# KiCad board JBX16SMD.kicad_pcb (continued)
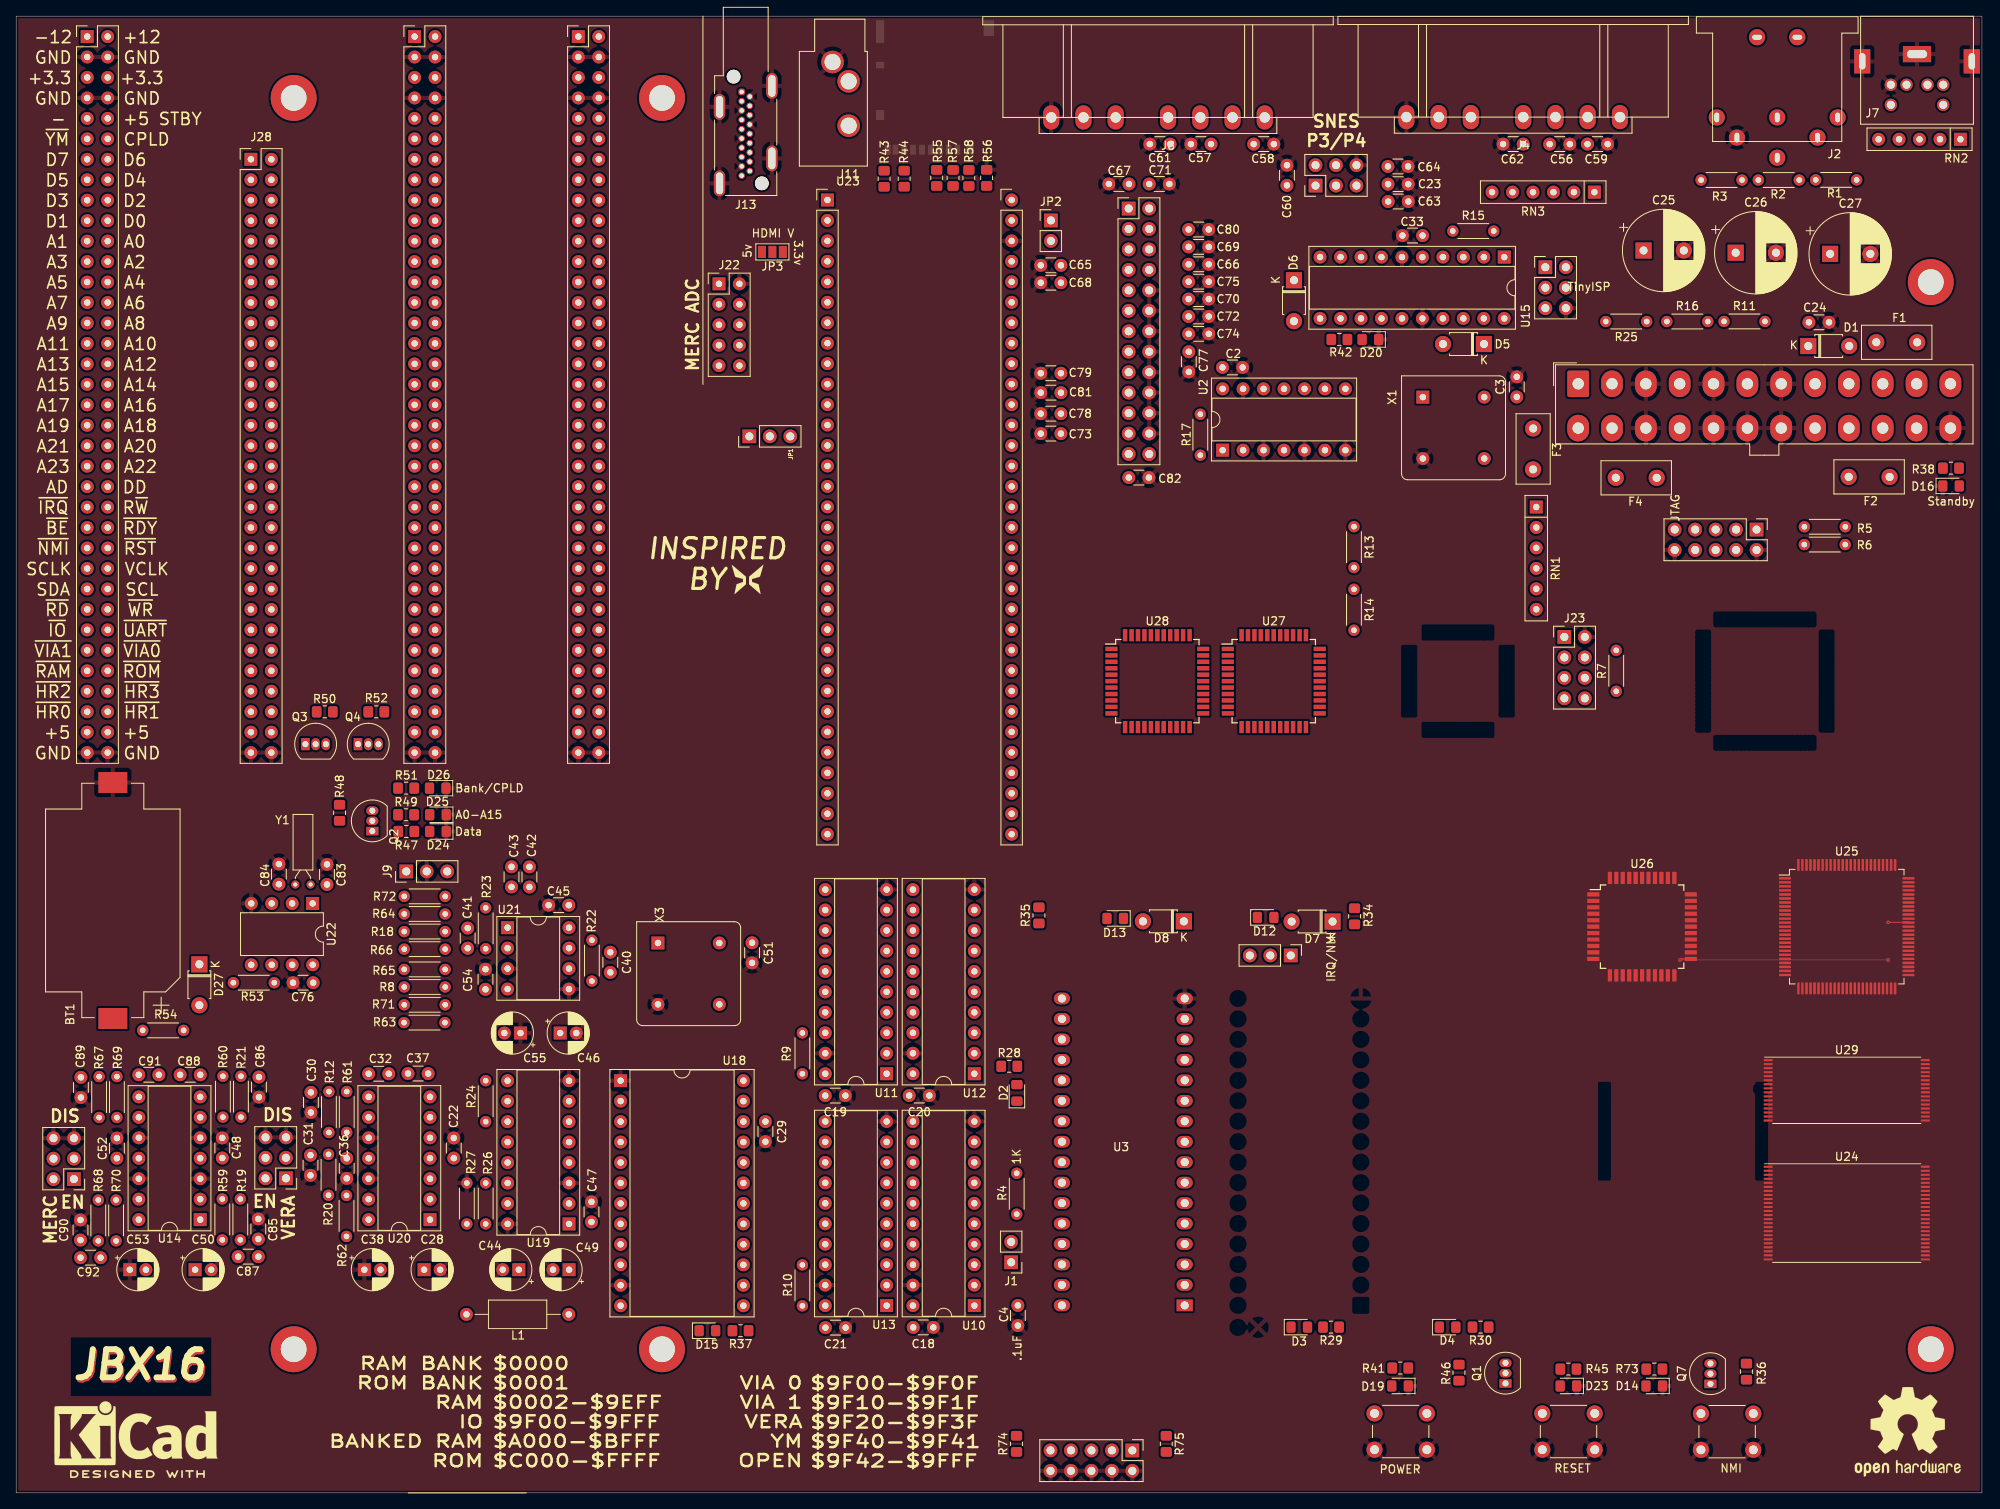
[diagram p0: board, top side]
## Footprints (pads in the part's own frame, mm; a bottom-side part is the same pattern mirrored in y, then rotated)
BatteryHolder_Keystone_1060_1x2032
  rect 2.6x3.6 smd: 1(-14.65,0) 2(14.65,0)
C_Disc_D3.0mm_W1.6mm_P2.50mm
  round 1.6 hole 0.8: 1(0,0) 2(2.5,0)
CP_Radial_D5.0mm_P2.00mm
  rect 1.6x1.6 hole 0.8: 1(0,0)
  round 1.6 hole 0.8: 2(2,0)
CP_Radial_D10.0mm_P5.00mm
  rect 2x2 hole 1: 1(0,0)
  round 2 hole 1: 2(5,0)
Crystal_C26-LF_D2.1mm_L6.5mm_Horizontal
  round 1 hole 0.5: 1(0,0) 2(1.9,0)
D_T-1_P5.08mm_Horizontal
  rect 2x2 hole 1: 1(0,0)
  oval 2x2 hole 1: 2(5.08,0)
DIN-6-IEC
  round 2 hole 1.2x0.6: 0(-2.5,2.54) 0(2.5,2.54)
  round 2 hole 0.6x1.2: 1(7.5,12.5) 2(5,15) 3(0,12.5) 4(-5,15) 5(-7.5,12.5) 6(0,17.5)
DIP-8_W7.62mm
  rect 1.6x1.6 hole 0.8: 1(0,0)
  oval 1.6x1.6 hole 0.8: 2(0,-2.54) 3(0,-5.08) 4(0,-7.62) 5(7.62,-7.62) 6(7.62,-5.08) 7(7.62,-2.54) 8(7.62,0)
DIP-8_W7.62mm_Socket
  rect 1.6x1.6 hole 0.8: 1(0,0)
  oval 1.6x1.6 hole 0.8: 2(0,-2.54) 3(0,-5.08) 4(0,-7.62) 5(7.62,-7.62) 6(7.62,-5.08) 7(7.62,-2.54) 8(7.62,0)
DIP-14_W7.62mm_Socket
  rect 1.6x1.6 hole 0.8: 1(0,0)
  oval 1.6x1.6 hole 0.8: 2(0,-2.54) 3(0,-5.08) 4(0,-7.62) 5(0,-10.16) 6(0,-12.7) 7(0,-15.24) 8(7.62,-15.24) 9(7.62,-12.7) 10(7.62,-10.16) 11(7.62,-7.62) 12(7.62,-5.08) 13(7.62,-2.54) 14(7.62,0)
DIP-16_W7.62mm_Socket
  rect 1.6x1.6 hole 0.8: 1(0,0)
  oval 1.6x1.6 hole 0.8: 2(0,-2.54) 3(0,-5.08) 4(0,-7.62) 5(0,-10.16) 6(0,-12.7) 7(0,-15.24) 8(0,-17.78) 9(7.62,-17.78) 10(7.62,-15.24) 11(7.62,-12.7) 12(7.62,-10.16) 13(7.62,-7.62) 14(7.62,-5.08) 15(7.62,-2.54) 16(7.62,0)
DIP-20_W7.62mm_Socket
  rect 1.6x1.6 hole 0.8: 1(0,0)
  oval 1.6x1.6 hole 0.8: 2(0,-2.54) 3(0,-5.08) 4(0,-7.62) 5(0,-10.16) 6(0,-12.7) 7(0,-15.24) 8(0,-17.78) 9(0,-20.32) 10(0,-22.86) 11(7.62,-22.86) 12(7.62,-20.32) 13(7.62,-17.78) 14(7.62,-15.24) 15(7.62,-12.7) 16(7.62,-10.16) 17(7.62,-7.62) 18(7.62,-5.08) 19(7.62,-2.54) 20(7.62,0)
DIP-24_W15.24mm_Socket
  rect 1.6x1.6 hole 0.8: 1(0,0)
  oval 1.6x1.6 hole 0.8: 2(0,-2.54) 3(0,-5.08) 4(0,-7.62) 5(0,-10.16) 6(0,-12.7) 7(0,-15.24) 8(0,-17.78) 9(0,-20.32) 10(0,-22.86) 11(0,-25.4) 12(0,-27.94) 13(15.24,-27.94) 14(15.24,-25.4) 15(15.24,-22.86) 16(15.24,-20.32) 17(15.24,-17.78) 18(15.24,-15.24) 19(15.24,-12.7) 20(15.24,-10.16) 21(15.24,-7.62) 22(15.24,-5.08) 23(15.24,-2.54) 24(15.24,0)
DIP_Socket-32_W11.9_W12.7_W15.24_W17.78_W18.5_3M_232-1285-00-0602J
  rect 2x1.44 hole 1: 1(0,0)
  oval 2x1.44 hole 1: 2(0,-2.54) 3(0,-5.08) 4(0,-7.62) 5(0,-10.16) 6(0,-12.7) 7(0,-15.24) 8(0,-17.78) 9(0,-20.32) 10(0,-22.86) 11(0,-25.4) 12(0,-27.94) 13(0,-30.48) 14(0,-33.02) 15(0,-35.56) 16(0,-38.1) 17(15.24,-38.1) 18(15.24,-35.56) 19(15.24,-33.02) 20(15.24,-30.48) 21(15.24,-27.94) 22(15.24,-25.4) 23(15.24,-22.86) 24(15.24,-20.32) 25(15.24,-17.78) 26(15.24,-15.24) 27(15.24,-12.7) 28(15.24,-10.16) 29(15.24,-7.62) 30(15.24,-5.08) 31(15.24,-2.54) 32(15.24,0)
Fuse_Littelfuse_395Series
  round 2 hole 1: 1(0,0) 2(5.08,-0.01)
HDMI_A_Kycon_KDMIX-SL1-NS-WS-B15_VerticalRightAngle
  round 1.7 hole 1.7 unplated: (-2.5,11.35) (1,-1.9)
  rrect 0.8x0.8 hole 0.55: 1(0,0)
  round 0.8 hole 0.55: 2(-1,0.578) 3(0,1.155) 4(-1,1.732) 5(0,2.31) 6(-1,2.888) 7(0,3.465) 8(-1,4.043) 9(0,4.62) 10(-1,5.197) 11(0,5.775) 12(-1,6.353) 13(0,6.93) 14(-1,7.508) 15(0,8.085) 16(-1,8.662) 17(0,9.24) 18(-1,9.818) 19(0,10.395)
  oval 1.4x3.2 hole 0.9x2.7: SH(-3.75,8.25) SH(-3.75,-0.75) SH(2.75,11.35) SH(2.75,1.85)
Jack_3.5mm_CUI_SJ1-3533NG_Horizontal_CircularHoles
  round 2.8 hole 2: R(2,-7.9) S(0,0) T(2,-2.4)
L_Axial_L7.0mm_D3.3mm_P12.70mm_Horizontal_Fastron_MICC
  round 1.6 hole 0.8: 1(0,0)
  oval 1.6x1.6 hole 0.8: 2(12.7,0)
LED_0805_2012Metric_Pad1.15x1.40mm_HandSolder
  rrect 1.15x1.4 smd: 1(-1.025,0) 2(1.025,0)
MD-60SM
  rect 2x3 hole 0.8x2: 0(-6.8,-2.9) 0(6.8,-2.9)
  rect 3.5x2 hole 2.5x1: 0(0,-3.8)
  round 1.524 hole 1: 1(1.3,0) 2(-1.3,0) 3(3.25,0) 4(-3.25,0) 5(3.25,2.5) 6(-3.25,2.5)
MercuryII_FPGA
  rect 1.6x1.6 hole 0.8: 1(0,0)
  oval 1.6x1.6 hole 0.8: 2(0,-2.54) 3(0,-5.08) 4(0,-7.62) 5(0,-10.16) 6(0,-12.7) 7(0,-15.24) 8(0,-17.78) 9(0,-20.32) 10(0,-22.86) 11(0,-25.4) 12(0,-27.94) 13(0,-30.48) 14(0,-33.02) 15(0,-35.56) 16(0,-38.1) 17(0,-40.64) 18(0,-43.18) 19(0,-45.72) 20(0,-48.26) 21(0,-50.8) 22(0,-53.34) 23(0,-55.88) 24(0,-58.42) 25(0,-60.96) 26(0,-63.5) 27(0,-66.04) 28(0,-68.58) 29(0,-71.12) 30(0,-73.66) 31(0,-76.2) 32(0,-78.74) 33(22.86,-78.74) 34(22.86,-76.2) 35(22.86,-73.66) 36(22.86,-71.12) 37(22.86,-68.58) 38(22.86,-66.04) 39(22.86,-63.5) 40(22.86,-60.96) 41(22.86,-58.42) 42(22.86,-55.88) 43(22.86,-53.34) 44(22.86,-50.8) 45(22.86,-48.26) 46(22.86,-45.72) 47(22.86,-43.18) 48(22.86,-40.64) 49(22.86,-38.1) 50(22.86,-35.56) 51(22.86,-33.02) 52(22.86,-30.48) 53(22.86,-27.94) 54(22.86,-25.4) 55(22.86,-22.86) 56(22.86,-20.32) 57(22.86,-17.78) 58(22.86,-15.24) 59(22.86,-12.7) 60(22.86,-10.16) 61(22.86,-7.62) 62(22.86,-5.08) 63(22.86,-2.54) 64(22.86,0)
microSD_HC_Hirose_DM3AT-SF-PEJM5
  rect 0.7x1.2 smd: 1(2.775,7.725) 2(1.675,7.725) 3(0.575,7.725) 4(-0.525,7.725) 5(-1.625,7.725) 6(-2.725,7.725) 7(-3.825,7.725) 8(-4.925,7.725) 9(-5.875,7.725)
  rect 1x0.8 smd: 10(-6.825,-2.775)
  rect 1x2.8 smd: 11(-6.825,-6.925)
  rect 1x1.2 smd: 11(-6.825,3.425) 11(4.325,7.725)
  rect 1.3x1.9 smd: 11(6.675,-7.375)
Molex_Mini-Fit_Jr_5566-24A_2x12_P4.20mm_Vertical
  rrect 2.7x3.3 hole 1.4: 1(0,0)
  oval 2.7x3.3 hole 1.4: 2(4.2,0) 3(8.4,0) 4(12.6,0) 5(16.8,0) 6(21,0) 7(25.2,0) 8(29.4,0) 9(33.6,0) 10(37.8,0) 11(42,0) 12(46.2,0) 13(0,-5.5) 14(4.2,-5.5) 15(8.4,-5.5) 16(12.6,-5.5) 17(16.8,-5.5) 18(21,-5.5) 19(25.2,-5.5) 20(29.4,-5.5) 21(33.6,-5.5) 22(37.8,-5.5) 23(42,-5.5) 24(46.2,-5.5)
MountingHole_3.2mm_M3_ISO7380_Pad
  round 5.7 hole 3.2: 1(0,0)
Oscillator_DIP-8
  rect 1.6x1.6 hole 0.8: 1(0,0)
  round 1.6 hole 0.8: 4(7.62,0) 5(7.62,7.62) 8(0,7.62)
PinHeader_1x02_P2.54mm_Vertical
  rect 1.7x1.7 hole 1: 1(0,0)
  oval 1.7x1.7 hole 1: 2(0,-2.54)
PinHeader_1x03_P2.54mm_Vertical
  rect 1.7x1.7 hole 1: 1(0,0)
  oval 1.7x1.7 hole 1: 2(0,-2.54) 3(0,-5.08)
PinHeader_2x03_P2.54mm_Vertical
  rect 1.7x1.7 hole 1: 1(0,0)
  oval 1.7x1.7 hole 1: 2(2.54,0) 3(0,-2.54) 4(2.54,-2.54) 5(0,-5.08) 6(2.54,-5.08)
PinHeader_2x04_P2.54mm_Vertical
  rect 1.7x1.7 hole 1: 1(0,0)
  oval 1.7x1.7 hole 1: 2(2.54,0) 3(0,-2.54) 4(2.54,-2.54) 5(0,-5.08) 6(2.54,-5.08) 7(0,-7.62) 8(2.54,-7.62)
PinHeader_2x05_P2.54mm_Vertical
  rect 1.7x1.7 hole 1: 1(0,0)
  oval 1.7x1.7 hole 1: 2(2.54,0) 3(0,-2.54) 4(2.54,-2.54) 5(0,-5.08) 6(2.54,-5.08) 7(0,-7.62) 8(2.54,-7.62) 9(0,-10.16) 10(2.54,-10.16)
PinHeader_2x05_P2.54mm_Vertical#2
  rect 1.6x1.6 hole 0.8: 1(0,0)
  oval 1.6x1.6 hole 0.8: 2(2.54,0) 3(0,-2.54) 4(2.54,-2.54) 5(0,-5.08) 6(2.54,-5.08) 7(0,-7.62) 8(2.54,-7.62) 9(0,-10.16) 10(2.54,-10.16)
PinHeader_2x13_P2.54mm_Vertical
  rect 1.7x1.7 hole 1: 1(0,0)
  oval 1.7x1.7 hole 1: 2(2.54,0) 3(0,-2.54) 4(2.54,-2.54) 5(0,-5.08) 6(2.54,-5.08) 7(0,-7.62) 8(2.54,-7.62) 9(0,-10.16) 10(2.54,-10.16) 11(0,-12.7) 12(2.54,-12.7) 13(0,-15.24) 14(2.54,-15.24) 15(0,-17.78) 16(2.54,-17.78) 17(0,-20.32) 18(2.54,-20.32) 19(0,-22.86) 20(2.54,-22.86) 21(0,-25.4) 22(2.54,-25.4) 23(0,-27.94) 24(2.54,-27.94) 25(0,-30.48) 26(2.54,-30.48)
PinSocket_2x30_P2.54mm_Vertical
  rect 1.6x1.6 hole 0.8: 1(0,0)
  oval 1.6x1.6 hole 0.8: 2(2.54,0) 3(0,-2.54) 4(2.54,-2.54) 5(0,-5.08) 6(2.54,-5.08) 7(0,-7.62) 8(2.54,-7.62) 9(0,-10.16) 10(2.54,-10.16) 11(0,-12.7) 12(2.54,-12.7) 13(0,-15.24) 14(2.54,-15.24) 15(0,-17.78) 16(2.54,-17.78) 17(0,-20.32) 18(2.54,-20.32) 19(0,-22.86) 20(2.54,-22.86) 21(0,-25.4) 22(2.54,-25.4) 23(0,-27.94) 24(2.54,-27.94) 25(0,-30.48) 26(2.54,-30.48) 27(0,-33.02) 28(2.54,-33.02) 29(0,-35.56) 30(2.54,-35.56) 31(0,-38.1) 32(2.54,-38.1) 33(0,-40.64) 34(2.54,-40.64) 35(0,-43.18) 36(2.54,-43.18) 37(0,-45.72) 38(2.54,-45.72) 39(0,-48.26) 40(2.54,-48.26) 41(0,-50.8) 42(2.54,-50.8) 43(0,-53.34) 44(2.54,-53.34) 45(0,-55.88) 46(2.54,-55.88) 47(0,-58.42) 48(2.54,-58.42) 49(0,-60.96) 50(2.54,-60.96) 51(0,-63.5) 52(2.54,-63.5) 53(0,-66.04) 54(2.54,-66.04) 55(0,-68.58) 56(2.54,-68.58) 57(0,-71.12) 58(2.54,-71.12) 59(0,-73.66) 60(2.54,-73.66)
PinSocket_2x36_P2.54mm_Vertical
  rect 1.6x1.6 hole 0.8: 1(-2.54,0)
  oval 1.6x1.6 hole 0.8: 2(0,0) 3(-2.54,-2.54) 4(0,-2.54) 5(-2.54,-5.08) 6(0,-5.08) 7(-2.54,-7.62) 8(0,-7.62) 9(-2.54,-10.16) 10(0,-10.16) 11(-2.54,-12.7) 12(0,-12.7) 13(-2.54,-15.24) 14(0,-15.24) 15(-2.54,-17.78) 16(0,-17.78) 17(-2.54,-20.32) 18(0,-20.32) 19(-2.54,-22.86) 20(0,-22.86) 21(-2.54,-25.4) 22(0,-25.4) 23(-2.54,-27.94) 24(0,-27.94) 25(-2.54,-30.48) 26(0,-30.48) 27(-2.54,-33.02) 28(0,-33.02) 29(-2.54,-35.56) 30(0,-35.56) 31(-2.54,-38.1) 32(0,-38.1) 33(-2.54,-40.64) 34(0,-40.64) 35(-2.54,-43.18) 36(0,-43.18) 37(-2.54,-45.72) 38(0,-45.72) 39(-2.54,-48.26) 40(0,-48.26) 41(-2.54,-50.8) 42(0,-50.8) 43(-2.54,-53.34) 44(0,-53.34) 45(-2.54,-55.88) 46(0,-55.88) 47(-2.54,-58.42) 48(0,-58.42) 49(-2.54,-60.96) 50(0,-60.96) 51(-2.54,-63.5) 52(0,-63.5) 53(-2.54,-66.04) 54(0,-66.04) 55(-2.54,-68.58) 56(0,-68.58) 57(-2.54,-71.12) 58(0,-71.12) 59(-2.54,-73.66) 60(0,-73.66) 61(-2.54,-76.2) 62(0,-76.2) 63(-2.54,-78.74) 64(0,-78.74) 65(-2.54,-81.28) 66(0,-81.28) 67(-2.54,-83.82) 68(0,-83.82) 69(-2.54,-86.36) 70(0,-86.36) 71(-2.54,-88.9) 72(0,-88.9)
PinSocket_2x36_P2.54mm_Vertical#2
  rect 1.6x1.6 hole 0.8: 1(0,0)
  oval 1.6x1.6 hole 0.8: 2(2.54,0) 3(0,-2.54) 4(2.54,-2.54) 5(0,-5.08) 6(2.54,-5.08) 7(0,-7.62) 8(2.54,-7.62) 9(0,-10.16) 10(2.54,-10.16) 11(0,-12.7) 12(2.54,-12.7) 13(0,-15.24) 14(2.54,-15.24) 15(0,-17.78) 16(2.54,-17.78) 17(0,-20.32) 18(2.54,-20.32) 19(0,-22.86) 20(2.54,-22.86) 21(0,-25.4) 22(2.54,-25.4) 23(0,-27.94) 24(2.54,-27.94) 25(0,-30.48) 26(2.54,-30.48) 27(0,-33.02) 28(2.54,-33.02) 29(0,-35.56) 30(2.54,-35.56) 31(0,-38.1) 32(2.54,-38.1) 33(0,-40.64) 34(2.54,-40.64) 35(0,-43.18) 36(2.54,-43.18) 37(0,-45.72) 38(2.54,-45.72) 39(0,-48.26) 40(2.54,-48.26) 41(0,-50.8) 42(2.54,-50.8) 43(0,-53.34) 44(2.54,-53.34) 45(0,-55.88) 46(2.54,-55.88) 47(0,-58.42) 48(2.54,-58.42) 49(0,-60.96) 50(2.54,-60.96) 51(0,-63.5) 52(2.54,-63.5) 53(0,-66.04) 54(2.54,-66.04) 55(0,-68.58) 56(2.54,-68.58) 57(0,-71.12) 58(2.54,-71.12) 59(0,-73.66) 60(2.54,-73.66) 61(0,-76.2) 62(2.54,-76.2) 63(0,-78.74) 64(2.54,-78.74) 65(0,-81.28) 66(2.54,-81.28) 67(0,-83.82) 68(2.54,-83.82) 69(0,-86.36) 70(2.54,-86.36) 71(0,-88.9) 72(2.54,-88.9)
PQFP-44_10x10mm_P0.8mm
  rect 1.5x0.52 smd: 1(-6.05,4) 2(-6.05,3.2) 3(-6.05,2.4) 4(-6.05,1.6) 5(-6.05,0.8) 6(-6.05,0) 7(-6.05,-0.8) 8(-6.05,-1.6) 9(-6.05,-2.4) 10(-6.05,-3.2) 11(-6.05,-4) 23(6.05,-4) 24(6.05,-3.2) 25(6.05,-2.4) 26(6.05,-1.6) 27(6.05,-0.8) 28(6.05,0) 29(6.05,0.8) 30(6.05,1.6) 31(6.05,2.4) 32(6.05,3.2) 33(6.05,4)
  rect 0.52x1.5 smd: 12(-4,-6.05) 13(-3.2,-6.05) 14(-2.4,-6.05) 15(-1.6,-6.05) 16(-0.8,-6.05) 17(0,-6.05) 18(0.8,-6.05) 19(1.6,-6.05) 20(2.4,-6.05) 21(3.2,-6.05) 22(4,-6.05) 34(4,6.05) 35(3.2,6.05) 36(2.4,6.05) 37(1.6,6.05) 38(0.8,6.05) 39(0,6.05) 40(-0.8,6.05) 41(-1.6,6.05) 42(-2.4,6.05) 43(-3.2,6.05) 44(-4,6.05)
R_0805_2012Metric_Pad1.20x1.40mm_HandSolder
  rrect 1.2x1.4 smd: 1(-1,0) 2(1,0)
R_Array_SIP5
  rect 1.6x1.6 hole 0.8: 1(0,0)
  oval 1.6x1.6 hole 0.8: 2(2.54,0) 3(5.08,0) 4(7.62,0) 5(10.16,0)
R_Array_SIP6
  rect 1.6x1.6 hole 0.8: 1(0,0)
  oval 1.6x1.6 hole 0.8: 2(2.54,0) 3(5.08,0) 4(7.62,0) 5(10.16,0) 6(12.7,0)
R_Axial_DIN0204_L3.6mm_D1.6mm_P5.08mm_Horizontal
  round 1.4 hole 0.7: 1(0,0)
  oval 1.4x1.4 hole 0.7: 2(5.08,0)
SNES
  oval 2x3 hole 1.3: 1(0,0) 2(4,0) 3(8,0) 4(12,0) 5(18.5,0) 6(22.5,0) 7(26.5,0)
SolderJumper-3_P1.3mm_Open_Pad1.0x1.5mm_NumberLabels
  rect 1x1.5 smd: 1(-1.3,0) 2(0,0) 3(1.3,0)
SW_PUSH_6mm
  round 2 hole 1.1: 1(0,0) 1(6.5,0) 2(0,-4.5) 2(6.5,-4.5)
TO-92_Inline
  rect 1.05x1.5 hole 0.75: 1(0,0)
  oval 1.05x1.5 hole 0.75: 2(1.27,0) 3(2.54,0)
TQFP-44_10x10mm_P0.8mm
  rect 1.5x0.55 smd: 1(-5.7,4) 2(-5.7,3.2) 3(-5.7,2.4) 4(-5.7,1.6) 5(-5.7,0.8) 6(-5.7,0) 7(-5.7,-0.8) 8(-5.7,-1.6) 9(-5.7,-2.4) 10(-5.7,-3.2) 11(-5.7,-4) 23(5.7,-4) 24(5.7,-3.2) 25(5.7,-2.4) 26(5.7,-1.6) 27(5.7,-0.8) 28(5.7,0) 29(5.7,0.8) 30(5.7,1.6) 31(5.7,2.4) 32(5.7,3.2) 33(5.7,4)
  rect 0.55x1.5 smd: 12(-4,-5.7) 13(-3.2,-5.7) 14(-2.4,-5.7) 15(-1.6,-5.7) 16(-0.8,-5.7) 17(0,-5.7) 18(0.8,-5.7) 19(1.6,-5.7) 20(2.4,-5.7) 21(3.2,-5.7) 22(4,-5.7) 34(4,5.7) 35(3.2,5.7) 36(2.4,5.7) 37(1.6,5.7) 38(0.8,5.7) 39(0,5.7) 40(-0.8,5.7) 41(-1.6,5.7) 42(-2.4,5.7) 43(-3.2,5.7) 44(-4,5.7)
TQFP-100_14x14mm_P0.5mm
  rrect 1.475x0.3 smd: 1(-7.662,6) 2(-7.662,5.5) 3(-7.662,5) 4(-7.662,4.5) 5(-7.662,4) 6(-7.662,3.5) 7(-7.662,3) 8(-7.662,2.5) 9(-7.662,2) 10(-7.662,1.5) 11(-7.662,1) 12(-7.662,0.5) 13(-7.662,0) 14(-7.662,-0.5) 15(-7.662,-1) 16(-7.662,-1.5) 17(-7.662,-2) 18(-7.662,-2.5) 19(-7.662,-3) 20(-7.662,-3.5) 21(-7.662,-4) 22(-7.662,-4.5) 23(-7.662,-5) 24(-7.662,-5.5) 25(-7.662,-6) 51(7.662,-6) 52(7.662,-5.5) 53(7.662,-5) 54(7.662,-4.5) 55(7.662,-4) 56(7.662,-3.5) 57(7.662,-3) 58(7.662,-2.5) 59(7.662,-2) 60(7.662,-1.5) 61(7.662,-1) 62(7.662,-0.5) 63(7.662,0) 64(7.662,0.5) 65(7.662,1) 66(7.662,1.5) 67(7.662,2) 68(7.662,2.5) 69(7.662,3) 70(7.662,3.5) 71(7.662,4) 72(7.662,4.5) 73(7.662,5) 74(7.662,5.5) 75(7.662,6)
  rrect 0.3x1.475 smd: 26(-6,-7.662) 27(-5.5,-7.662) 28(-5,-7.662) 29(-4.5,-7.662) 30(-4,-7.662) 31(-3.5,-7.662) 32(-3,-7.662) 33(-2.5,-7.662) 34(-2,-7.662) 35(-1.5,-7.662) 36(-1,-7.662) 37(-0.5,-7.662) 38(0,-7.662) 39(0.5,-7.662) 40(1,-7.662) 41(1.5,-7.662) 42(2,-7.662) 43(2.5,-7.662) 44(3,-7.662) 45(3.5,-7.662) 46(4,-7.662) 47(4.5,-7.662) 48(5,-7.662) 49(5.5,-7.662) 50(6,-7.662) 76(6,7.662) 77(5.5,7.662) 78(5,7.662) 79(4.5,7.662) 80(4,7.662) 81(3.5,7.662) 82(3,7.662) 83(2.5,7.662) 84(2,7.662) 85(1.5,7.662) 86(1,7.662) 87(0.5,7.662) 88(0,7.662) 89(-0.5,7.662) 90(-1,7.662) 91(-1.5,7.662) 92(-2,7.662) 93(-2.5,7.662) 94(-3,7.662) 95(-3.5,7.662) 96(-4,7.662) 97(-4.5,7.662) 98(-5,7.662) 99(-5.5,7.662) 100(-6,7.662)
TSOP-I-32_18.4x8mm_P0.5mm
  rect 1.1x0.25 smd: 1(-9.75,3.75) 2(-9.75,3.25) 3(-9.75,2.75) 4(-9.75,2.25) 5(-9.75,1.75) 6(-9.75,1.25) 7(-9.75,0.75) 8(-9.75,0.25) 9(-9.75,-0.25) 10(-9.75,-0.75) 11(-9.75,-1.25) 12(-9.75,-1.75) 13(-9.75,-2.25) 14(-9.75,-2.75) 15(-9.75,-3.25) 16(-9.75,-3.75) 17(9.75,-3.75) 18(9.75,-3.25) 19(9.75,-2.75) 20(9.75,-2.25) 21(9.75,-1.75) 22(9.75,-1.25) 23(9.75,-0.75) 24(9.75,-0.25) 25(9.75,0.25) 26(9.75,0.75) 27(9.75,1.25) 28(9.75,1.75) 29(9.75,2.25) 30(9.75,2.75) 31(9.75,3.25) 32(9.75,3.75)
TSOP-I-48_18.4x12mm_P0.5mm
  rect 1.1x0.25 smd: 1(-9.75,5.75) 2(-9.75,5.25) 3(-9.75,4.75) 4(-9.75,4.25) 5(-9.75,3.75) 6(-9.75,3.25) 7(-9.75,2.75) 8(-9.75,2.25) 9(-9.75,1.75) 10(-9.75,1.25) 11(-9.75,0.75) 12(-9.75,0.25) 13(-9.75,-0.25) 14(-9.75,-0.75) 15(-9.75,-1.25) 16(-9.75,-1.75) 17(-9.75,-2.25) 18(-9.75,-2.75) 19(-9.75,-3.25) 20(-9.75,-3.75) 21(-9.75,-4.25) 22(-9.75,-4.75) 23(-9.75,-5.25) 24(-9.75,-5.75) 25(9.75,-5.75) 26(9.75,-5.25) 27(9.75,-4.75) 28(9.75,-4.25) 29(9.75,-3.75) 30(9.75,-3.25) 31(9.75,-2.75) 32(9.75,-2.25) 33(9.75,-1.75) 34(9.75,-1.25) 35(9.75,-0.75) 36(9.75,-0.25) 37(9.75,0.25) 38(9.75,0.75) 39(9.75,1.25) 40(9.75,1.75) 41(9.75,2.25) 42(9.75,2.75) 43(9.75,3.25) 44(9.75,3.75) 45(9.75,4.25) 46(9.75,4.75) 47(9.75,5.25) 48(9.75,5.75)

## Nets
5VSB: C24.1 C33.2 D1.1 J5.2 J12.10 J20.10 J21.10 R11.2 R15.2 R16.2 R25.1 U15.5 U15.15
+3V3: F3.2 JP2.2
+5V: C2.1 C3.1 C4.1 C18.2 C19.2 C20.2 C21.2 C25.1 C26.1 C27.1 C29.1 C51.1 C76.1 F2.2 J3.4 J4.1 J7.4 J8.1 J12.69 J12.70 J17.26 J18.2 J20.69 J20.70 J21.69 J21.70 J23.1 J28.57 J28.58 JP1.1 JP3.3 L1.1 Q1.3 Q2.3 Q3.3 Q4.3 Q7.3 R1.1 R2.1 R3.1 R4.1 R5.1 R6.1 R7.1 R9.1 R10.1 R13.2 R14.2 R17.1 R28.1 R29.1 R30.1 R34.1 R35.1 R37.1 R41.1 R53.2 R74.2 RN1.1 RN2.1 RN3.1 U2.14 U3.32 U10.20 U11.20 U12.20 U13.20 U18.22 U22.8 U23.64 U27.20 U28.20 U29.6 X1.1 X1.8 X3.1 X3.8
+12V: C22.1 C28.1 C45.1 C46.1 C48.1 C50.1 F1.2 J12.2 J20.2 J21.2 U14.4 U20.4 U21.8
-12V: C36.1 C38.2 C52.1 C53.2 C54.1 C55.2 F4.2 J12.1 J20.1 J21.1 U14.11 U20.11 U21.4
dVCC: C47.1 C49.1 L1.2 U19.1
GND: BT1.2 C2.2 C3.2 C4.2 C18.1 C19.1 C20.1 C21.1 C22.2 C23.2 C24.2 C25.2 C26.2 C27.2 C28.2 C29.2 C30.2 C31.2 C33.1 C36.2 C38.1 C44.2 C45.2 C46.2 C47.2 C48.2 C49.2 C50.2 C51.2 C52.2 C53.1 C54.2 C55.1 C56.2 C57.2 C58.2 C59.2 C60.2 C61.2 C62.2 C63.2 C64.2 C65.2 C66.2 C67.2 C68.2 C69.2 C70.2 C71.2 C72.2 C73.2 C74.2 C75.2 C76.2 C77.2 C78.2 C79.2 C80.2 C81.2 C82.2 C83.1 C84.1 C85.2 C86.2 C89.2 C90.2 D14.1 D16.1 D19.1 D20.1 D23.1 D24.1 D25.1 D26.1 J2.2 J3.2 J3.10 J4.7 J5.6 J7.0 J7.3 J8.7 J9.2 J10.5 J10.6 J11.S J12.3 J12.4 J12.7 J12.8 J12.71 J12.72 J13.2 J13.5 J13.8 J13.11 J13.17 J13.SH J14.5 J14.6 J15.2 J15.4 J15.6 J15.8 J15.10 J16.6 J16.9 J17.10 J17.12 J17.14 J17.16 J17.18 J17.20 J17.22 J17.24 J18.6 J19.3 J19.5 J19.7 J19.15 J19.17 J19.18 J19.19 J19.24 J20.3 J20.4 J20.7 J20.8 J20.71 J20.72 J21.3 J21.4 J21.7 J21.8 J21.71 J21.72 J22.2 J23.2 J28.59 J28.60 R27.2 R56.2 SW1.2 SW2.2 SW3.2 U2.3 U2.5 U2.7 U2.13 U3.16 U10.10 U10.19 U11.10 U11.19 U12.10 U12.19 U13.10 U13.19 U14.3 U14.5 U14.10 U14.12 U15.6 U15.16 U18.1 U18.11 U19.3 U19.8 U19.16 U20.10 U20.12 U21.3 U21.5 U22.4 U23.62 U24.47 U29.24 X1.4 X3.4
V0CA1: J23.4 U27.38
V0CA2: J23.3 U27.37
V0CB2: J23.5 U27.14
V0PB0: J23.7 U27.4
V0PB1: J23.8 U27.6
V0PB2: J23.6 U27.7
V1A0: C65.1 J17.3 U28.40
V1A1: C66.1 J17.5 U28.41
V1A2: C68.1 J17.7 U28.42
V1A3: C70.1 J17.9 U28.43
V1A4: C72.1 J17.11 U28.44
V1A5: C74.1 J17.13 U28.1
V1A6: C77.1 J17.15 U28.2
V1A7: C79.1 J17.17 U28.3
V1B0: C67.1 J17.1 U28.4
V1B1: C69.1 J17.6 U28.6
V1B2: C71.1 J17.2 U28.7
V1B3: C73.1 J17.23 U28.8
V1B4: C75.1 J17.8 U28.9
V1B5: C78.1 J17.21 U28.10 U28.13
V1B6: C81.1 J17.19 U28.11 U28.38
V1B7: C82.1 J17.25 U28.12 U28.37
V1CB2: C80.1 J17.4 U28.14
/+3.3: F3.1 J19.1 J19.2 J19.12 J19.13
/+5: F2.1 J19.4 J19.6 J19.21 J19.22 J19.23
/+12: F1.1 J19.10 J19.11
/-12: F4.1 J19.14
/bc: R26.2 U19.14 U20.2
/MIXER_L: C40.2 R8.1 R22.2 R63.1 R65.1 R71.1 U21.6
/MIXER_R: C41.2 R18.1 R23.2 R64.1 R66.1 R72.1 U21.2
/mp: R26.1 R27.1 U19.13 U20.1
A0: U3.12 U11.9 U24.25 U25.40 U26.4 U27.36 U28.36 U29.20
A1: U3.11 U11.8 U24.24 U25.41 U26.5 U27.35 U28.35 U29.19
A2: U3.10 U11.7 U24.23 U25.42 U26.7 U27.34 U28.34 U29.18
A3: U3.9 U11.6 U24.22 U25.45 U26.8 U27.33 U28.33 U29.17
A4: U3.8 U11.5 U24.21 U25.46 U26.9 U29.16
A5: U3.7 U11.4 U24.20 U25.47 U26.10 U29.15
A6: U3.6 U11.3 U24.19 U25.48 U26.11 U29.14
A7: U3.5 U11.2 U24.18 U25.50 U26.12 U29.13
A8: U3.27 U12.2 U24.8 U25.36 U26.13 U29.3
A9: U3.26 U12.3 U24.7 U25.31 U26.14 U29.2
A10: U3.23 U12.4 U24.6 U25.30 U26.15 U29.31
A11: U3.25 U12.5 U24.5 U25.29 U26.16 U29.1
A12: U3.4 U12.6 U24.4 U25.27 U26.19 U29.12
A13: U3.28 U12.7 U25.32 U26.20 U29.4
A14: U12.8 U25.35 U26.21 U29.11
A15: U12.9 U25.37 U26.22 U29.7
ACTLED: J5.1 R42.1 U15.2
adc0: J22.3 U23.5
adc1: J22.4 U23.6
adc2: J22.5 U23.7
adc3: J22.6 U23.8
adc4: J22.7 U23.9
adc5: J22.8 U23.10
adc6: J22.9 U23.11
adc7: J22.10 U23.12
ADRDD: J12.45 J20.45 J21.45 J28.33 R9.2 R50.1 U11.1 U12.1 U23.32
bA0: J12.22 J20.22 J21.22 J28.10 U11.11 U18.4 U23.50
bA1: J12.21 J20.21 J21.21 J28.9 U11.12 U23.49
bA2: J12.24 J20.24 J21.24 J28.12 U11.13 U23.48
bA3: J12.23 J20.23 J21.23 J28.11 U11.14 U23.45
bA4: J12.26 J20.26 J21.26 J28.14 U11.15 U23.44
bA5: J12.25 J20.25 J21.25 J28.13 U11.16 U23.43
bA6: J12.28 J20.28 J21.28 J28.16 U11.17 U23.42
bA7: J12.27 J20.27 J21.27 J28.15 U11.18 U23.41
bA8: J12.30 J20.30 J21.30 J28.18 U12.18 U23.40
bA9: J12.29 J20.29 J21.29 J28.17 U12.17 U23.39
bA10: J12.32 J20.32 J21.32 J28.20 U12.16 U23.38
bA11: J12.31 J20.31 J21.31 J28.19 U12.15 U23.37
bA12: J12.34 J20.34 J21.34 J28.22 U12.14 U23.36
bA13: J12.33 J20.33 J21.33 J28.21 U12.13 U23.35
bA14: J12.36 J20.36 J21.36 J28.24 U12.12 U23.34
bA15: J12.35 J20.35 J21.35 J28.23 U12.11 U23.33
bD0: J12.20 J20.20 J21.20 J28.8 U10.18 U18.10 U23.51
bD1: J12.19 J20.19 J21.19 J28.7 U10.17 U18.12 U23.52
bD2: J12.18 J20.18 J21.18 J28.6 U10.16 U18.13 U23.53
bD3: J12.17 J20.17 J21.17 J28.5 U10.15 U18.14 U23.54
bD4: J12.16 J20.16 J21.16 J28.4 U10.14 U18.15 U23.55
bD5: J12.15 J20.15 J21.15 J28.3 U10.13 U18.16 U23.56
bD6: J12.14 J20.14 J21.14 J28.2 U10.12 U18.17 U23.57
bD7: J12.13 J20.13 J21.13 J28.1 U10.11 U18.18 U23.58
BE: J12.49 J20.49 J21.49 J28.37 RN1.5 U23.30 U26.34
bUA16: J12.38 J20.38 J21.38 J28.26 U13.11
bUA17: J12.37 J20.37 J21.37 J28.25 U13.12
bUA18: J12.40 J20.40 J21.40 J28.28 U13.13
bUA19: J12.39 J20.39 J21.39 J28.27 U13.14
bUA20: J12.42 J20.42 J21.42 J28.30 U13.15
bUA21: J12.41 J20.41 J21.41 J28.29 U13.16
bUA22: J12.44 J20.44 J21.44 J28.32 U13.17
bUA23: J12.43 J20.43 J21.43 J28.31 U13.18
CH1: C30.1 R12.2 U19.9
CH2: C31.1 R20.2 U19.10
CLK: U25.87 X1.5
clk+: J13.10 U23.21
clk-: J13.12 U23.22
CPLDACT: Q7.1 R73.1 R75.2
cpldEn: J12.12 J20.12 J21.12 R7.2 R52.1 U13.1 U25.88
D0: U3.13 U10.2 U24.29 U25.6 U26.30 U27.30 U28.30 U29.21
d0+: J13.7 U23.20
d0-: J13.9 U23.19
D1: U3.14 U10.3 U24.31 U25.7 U26.29 U27.29 U28.29 U29.22
d1+: J13.4 U23.18
d1-: J13.6 U23.17
D2: U3.15 U10.4 U24.33 U25.16 U26.28 U27.28 U28.28 U29.23
d2+: J13.1 U23.15
d2-: J13.3 U23.14
D3: U3.17 U10.5 U24.35 U25.17 U26.27 U27.26 U28.26 U29.25
D4: U3.18 U10.6 U24.38 U25.53 U26.26 U27.25 U28.25 U29.26
D5: U3.19 U10.7 U24.40 U25.54 U26.25 U27.24 U28.24 U29.27
D6: U3.20 U10.8 U24.42 U25.63 U26.24 U27.23 U28.23 U29.28
D7: U3.21 U10.9 U24.44 U25.64 U26.23 U27.22 U28.22 U29.29
DATDD: J12.46 J20.46 J21.46 J28.34 R10.2 R48.1 U10.1 U23.28 U25.13
FPGA_33: J12.5 J12.6 J16.4 J20.5 J20.6 J21.5 J21.6 JP1.3 JP2.1 JP3.1 R43.1 R44.1 R55.1 R57.1 R58.1 U23.63
HIRA0: D4.1 J12.67 J20.67 J21.67 J28.55 U24.26
HIRA1: J12.68 J20.68 J21.68 J28.56
HIRA2: J12.65 J20.65 J21.65 J28.53
HIRA3: J12.66 J20.66 J21.66 J28.54 U25.19
iecATN: J2.3 R3.2 U2.2
IECATTO: U2.1 U27.8
IECCLKI: J2.4 R2.2 U2.10 U27.11
IECCLKO: U2.11 U27.9
IECDATI: J2.5 R1.2 U2.8 U27.12
IECDATO: U2.9 U27.10
IECSRQ: J2.1 R17.2 U27.13
IOEN: J12.59 J20.59 J21.59 J28.47 U25.69
IRQ: D6.2 D8.2 J6.1 J12.47 J20.47 J21.47 J28.35 RN1.4 U18.2 U23.27 U26.43
KBCLK: J7.6 RN2.2 U15.18
KBDAT: J7.2 RN2.3 U15.4
MERC_L: C89.1 J10.3 R67.2
MERC_R: C90.1 J10.4 R68.2
MSCLK: J7.5 RN2.5 U15.9
MSDAT: J7.1 RN2.4 U15.8
NDESDAT0: C61.1 J8.4 RN3.3 U27.3
NDESDAT1: C62.1 J4.4 RN3.4 U27.2
NDESDAT2: C63.1 J18.5 RN3.5 U27.1
NDESDAT3: C64.1 J18.4 RN3.6 U27.44
NESCLK: C58.1 C59.1 C60.1 J4.2 J8.2 J18.1 RN3.2 U27.43
NESLATCH: C23.1 C56.1 C57.1 J4.3 J8.3 J18.3 U27.42
NMI: D5.2 J6.3 J12.51 J20.51 J21.51 J28.39 RN1.6 U23.31 U26.1
NMIBTN: J15.9 R16.1 SW3.1 U15.17
PWRBTN: J15.5 R11.1 SW1.1 U15.14
PWROK: J19.8 U15.12
PWRON: J19.16 R38.1 U15.13
RAEN: D3.1 J12.63 J20.63 J21.63 J28.51 U25.21 U29.30
RD#: J12.57 J20.57 J21.57 J28.45 U3.24 U18.6 U24.28 U25.22 U29.32
RDY: J12.50 J20.50 J21.50 J28.38 RN1.3 U23.29 U26.41
ROEN: D2.1 J12.64 J20.64 J21.64 J28.52 U3.22 U25.23
RST: J2.6 J12.52 J20.52 J21.52 J28.40 R46.1 RN1.2 U15.20 U18.3 U19.7 U23.23 U25.89 U26.38 U27.31 U28.31
RSTBTN: J15.7 R15.1 SW2.1 U15.7
RWB: J12.48 J20.48 J21.48 J28.36 U23.26 U25.90 U26.32 U27.18 U28.18
SCL: J5.3 J12.56 J20.56 J21.56 J28.44 R14.1 U15.3 U22.6 U27.41
sCLK: J12.53 J20.53 J21.53 J28.41 U23.47 U25.71 U26.35
SD_MISO: J16.7 R44.2 U23.1
SD_MOSI: J16.3 R55.2 U23.3
SD_SCK: J16.5 R56.1 U23.2
SD_SSEL: J16.2 R57.2 U23.4
SDA: J5.4 J12.55 J20.55 J21.55 J28.43 R13.1 U15.1 U22.5 U27.40
SRLEN: J12.60 J20.60 J21.60 J28.48 U25.68
TCK: J3.1 U25.62
TDI: J3.9 R6.2 U25.4
TDO: J3.3 U25.73
TMS: J3.5 R5.2 U25.15
TNYRST: J5.5 R25.2 U15.10
UA16: U3.29 U13.9 U24.3 U25.1 U29.10
UA17: U3.3 U13.8 U24.2 U25.100
UA18: U3.2 U13.7 U24.1 U25.99
UA19: U3.30 U13.6 U24.48 U25.98
UA20: U3.1 U13.5 U24.17 U25.96
UA21: U13.4 U24.16 U25.94
UA22: U13.3 U24.9 U25.93
UA23: U13.2 U24.45 U25.92
vCLK: J12.54 J20.54 J21.54 J28.42 U23.46 U25.70 U27.21 U28.21
vDACL: J10.1 J14.1 U23.61
vDACR: J10.2 J14.2 U23.60
VERA_L: C85.1 J14.3 R19.2
VERA_R: C86.1 J14.4 R21.2
VIA0EN: D12.1 J12.62 J20.62 J21.62 J28.50 U25.24 U27.19
VIA1EN: D13.1 J12.61 J20.61 J21.61 J28.49 U25.65 U28.19
VPB: U26.40
vref: J22.1 JP1.2 U23.13
WR#: J1.2 J12.58 J20.58 J21.58 J28.46 U18.5 U24.11 U25.14 U29.5
yCLK: U18.24 X3.5
YMFEN: D15.1 J12.11 J20.11 J21.11 U18.7 U25.81
Net-(BT1-Pad1): BT1.1 R54.2
Net-(C32-Pad1): C32.1 R65.2
Net-(C32-Pad2): C32.2 R61.1 U20.8
Net-(C37-Pad1): C37.1 R66.2
Net-(C37-Pad2): C37.2 R62.1 U20.14
Net-(C40-Pad1): C40.1 C42.2 R22.1 U21.7
Net-(C41-Pad1): C41.1 C43.2 R23.1 U21.1
Net-(C42-Pad1): C42.1 J11.T
Net-(C43-Pad1): C43.1 J11.R
Net-(C44-Pad1): C44.1
Net-(C83-Pad2): C83.2 U22.1 Y1.1
Net-(C84-Pad2): C84.2 U22.2 Y1.2
Net-(C87-Pad1): C87.1 R63.2
Net-(C87-Pad2): C87.2 R59.1 U14.1
Net-(C88-Pad1): C88.1 R64.2
Net-(C88-Pad2): C88.2 R60.1 U14.7
Net-(C91-Pad1): C91.1 R71.2
Net-(C91-Pad2): C91.2 R69.1 U14.8
Net-(C92-Pad1): C92.1 R72.2
Net-(C92-Pad2): C92.2 R70.1 U14.14
Net-(D1-Pad2): D1.2 J19.9
Net-(D2-Pad2): D2.2 R28.2
Net-(D3-Pad2): D3.2 R29.2
Net-(D4-Pad2): D4.2 R30.2
Net-(D5-Pad1): U15.19
Net-(D6-Pad1): U15.11
Net-(D7-Pad1): D7.1 U27.17
Net-(D7-Pad2): D7.2 J6.2
Net-(D8-Pad1): D8.1 U28.17
Net-(D12-Pad2): D12.2 R34.2
Net-(D13-Pad2): D13.2 R35.2
Net-(D14-Pad2): D14.2 R73.2
Net-(D15-Pad2): D15.2 R37.2
Net-(D16-Pad2): D16.2 R38.2
Net-(D19-Pad2): D19.2 R41.2
Net-(D20-Pad2): D20.2 R42.2
Net-(D23-Pad2): D23.2 R45.1
Net-(D24-Pad2): D24.2 R47.1
Net-(D25-Pad2): D25.2 R49.1
Net-(D26-Pad2): D26.2 R51.1
Net-(D27-Pad1): U22.3
Net-(D27-Pad2): D27.2 R54.1
Net-(J1-Pad1): J1.1 R4.2 U3.31
Net-(J9-Pad1): J9.1 R8.2
Net-(J9-Pad3): J9.3 R18.2
Net-(J13-Pad18): J13.18 JP3.2
Net-(J15-Pad1): J15.1 R74.1
Net-(J15-Pad3): J15.3 R75.1
Net-(J16-Pad1): J16.1 R58.2
Net-(J16-Pad8): J16.8 R43.2
Net-(Q1-Pad1): Q1.1 R45.2
Net-(Q1-Pad2): Q1.2 R46.2
Net-(Q2-Pad1): Q2.1 R47.2
Net-(Q2-Pad2): Q2.2 R48.2
Net-(Q3-Pad1): Q3.1 R49.2
Net-(Q3-Pad2): Q3.2 R50.2
Net-(Q4-Pad1): Q4.1 R51.2
Net-(Q4-Pad2): Q4.2 R52.2
Net-(R12-Pad1): R12.1 R61.2 U20.9
Net-(R19-Pad1): R19.1 R59.2 U14.2
Net-(R20-Pad1): R20.1 R62.2 U20.13
Net-(R21-Pad1): R21.1 R60.2 U14.6
Net-(R24-Pad1): R24.1 U20.6 U20.7
Net-(R24-Pad2): R24.2 U19.11
Net-(R36-Pad1): Q7.2 R36.1
Net-(R53-Pad1): U22.7
Net-(R67-Pad1): R67.1 R69.2 U14.9
Net-(R68-Pad1): R68.1 R70.2 U14.13
Net-(U18-Pad19): U18.19 U19.5
Net-(U18-Pad20): U18.20 U19.6
Net-(U18-Pad21): U18.21 U19.4
Net-(U18-Pad23): U18.23 U19.2
Net-(U19-Pad12): U19.12 U20.5
Net-(U19-Pad15): U19.15 U20.3
Net-(U25-Pad84): R36.2 U25.84

Pads without a net: D5 1; D6 1; D27 1; H1 1; H2 1; H3 1; H4 1; H5 1; H6 1; J2 0; J3 6 7 8; J4 5 6; J8 5 6; J12 9; J13 13 14 15 16 19; J16 10 11; J19 20; J20 9; J21 9; R53 1; U2 4 6 12; U18 8 9; U23 16 24 25 59; U24 10 12 13 14 15 27 30 32 34 36 37 39 41 43 46; U25 2 3 5 8 9 10 11 12 18 20 25 26 28 33 34 38 39 43 44 49 51 52 55 56 57 58 59 60 61 66 67 72 74 75 76 77 78 79 80 82 83 85 86 91 95 97; U26 2 3 6 17 18 31 33 36 37 39 42 44; U27 5 15 16 27 32 39; U28 5 15 16 27 32 39; U29 8 9

## Via types
v1: diameter 0.45, hole 0.2, Top to Bottom, 3 vias

## Routing (per net, layer and track width the routed paths; a pad name or vN(x,y) marks a point on that pad's centre or on a via; arc(x,y) is an arc through that point)
D7: length 34.5
  Top w0.127: U25.64 234.84,70.84 v1(232.35,70.84) ; U26.23 206.65,66.3 v1(206.52,66.17)
  In1.Cu w0.127: v1(232.35,66.17) v1(232.35,70.84)
  Bottom w0.127: v1(206.52,66.17) v1(232.35,66.17)

## Copper pours and planes (outline as drawn; the poured copper is in the pictures)
+5V on In2.Cu: 243.96,0.04 0.04,0.04 0.04,183.3 243.96,183.3
GND on Top: 243.96,0.04 0.04,0.04 0.04,183.3 243.96,183.3
GND on Bottom: 243.96,0.04 0.04,0.04 0.04,183.3 243.96,183.3
GND on In1.Cu: 243.96,0.04 0.04,0.04 0.04,183.3 243.96,183.3

## Text on the board
Top: JBX16
F.Silkscreen: Data | A0-A15 | Bank/CPLD | HDMI V | Standby | 5v | 3.3v | SCLK | +3.3 | -12 | GND | A11 | A13 | A15 | A17 | A19 | A21 | A23 | ~{IRQ} | ~{NMI} | SDA | ~{VIA1} | ~{RAM} | ~{HR2} | ~{HR0} | ~{YM} | D7 | D5 | D3 | D1 | A1 | A3 | A5 | A7 | A9 | AD | ~{BE} | ~{RD} | ~{IO} | +5 | - | D6 | D4 | D2 | D0 | A0 | A2 | A4 | A6 | A8 | DD | R~{W} | ~{RDY} | ~{RST} | A10 | A12 | A14 | A16 | A18 | A20 | A22 | ~{WR} | +12 | SCL | ~{ROM} | ~{HR3} | ~{HR1} | ~{VIA0} | ~{UART} | CPLD | VCLK | +5 STBY | DIS | EN | SNES / P3/P4 | MERC | VERA | MERC ADC | $0000 / $0001 / $0002-$9EFF / $9F00-$9FFF / $A000-$BFFF / $C000-$FFFF | $9F00-$9F0F / $9F10-$9F1F / $9F20-$9F3F / $9F40-$9F41 / $9F42-$9FFF | RAM BANK / ROM BANK / RAM / IO / BANKED RAM / ROM | VIA 0 / VIA 1 / VERA / YM / OPEN | JBX16
